# Altium PCB 整板_大板_one_EDA.PcbDoc (part 2 of 4)
Units mil, origin at the board's own origin, x right, y up, seen from the top; angles counter-clockwise.
Board outline 19488.19 x 7322.83 mil, 2 copper layers (Top Layer, Bottom Layer); 297 components, 275 nets, 1813 pads, 741 vias.
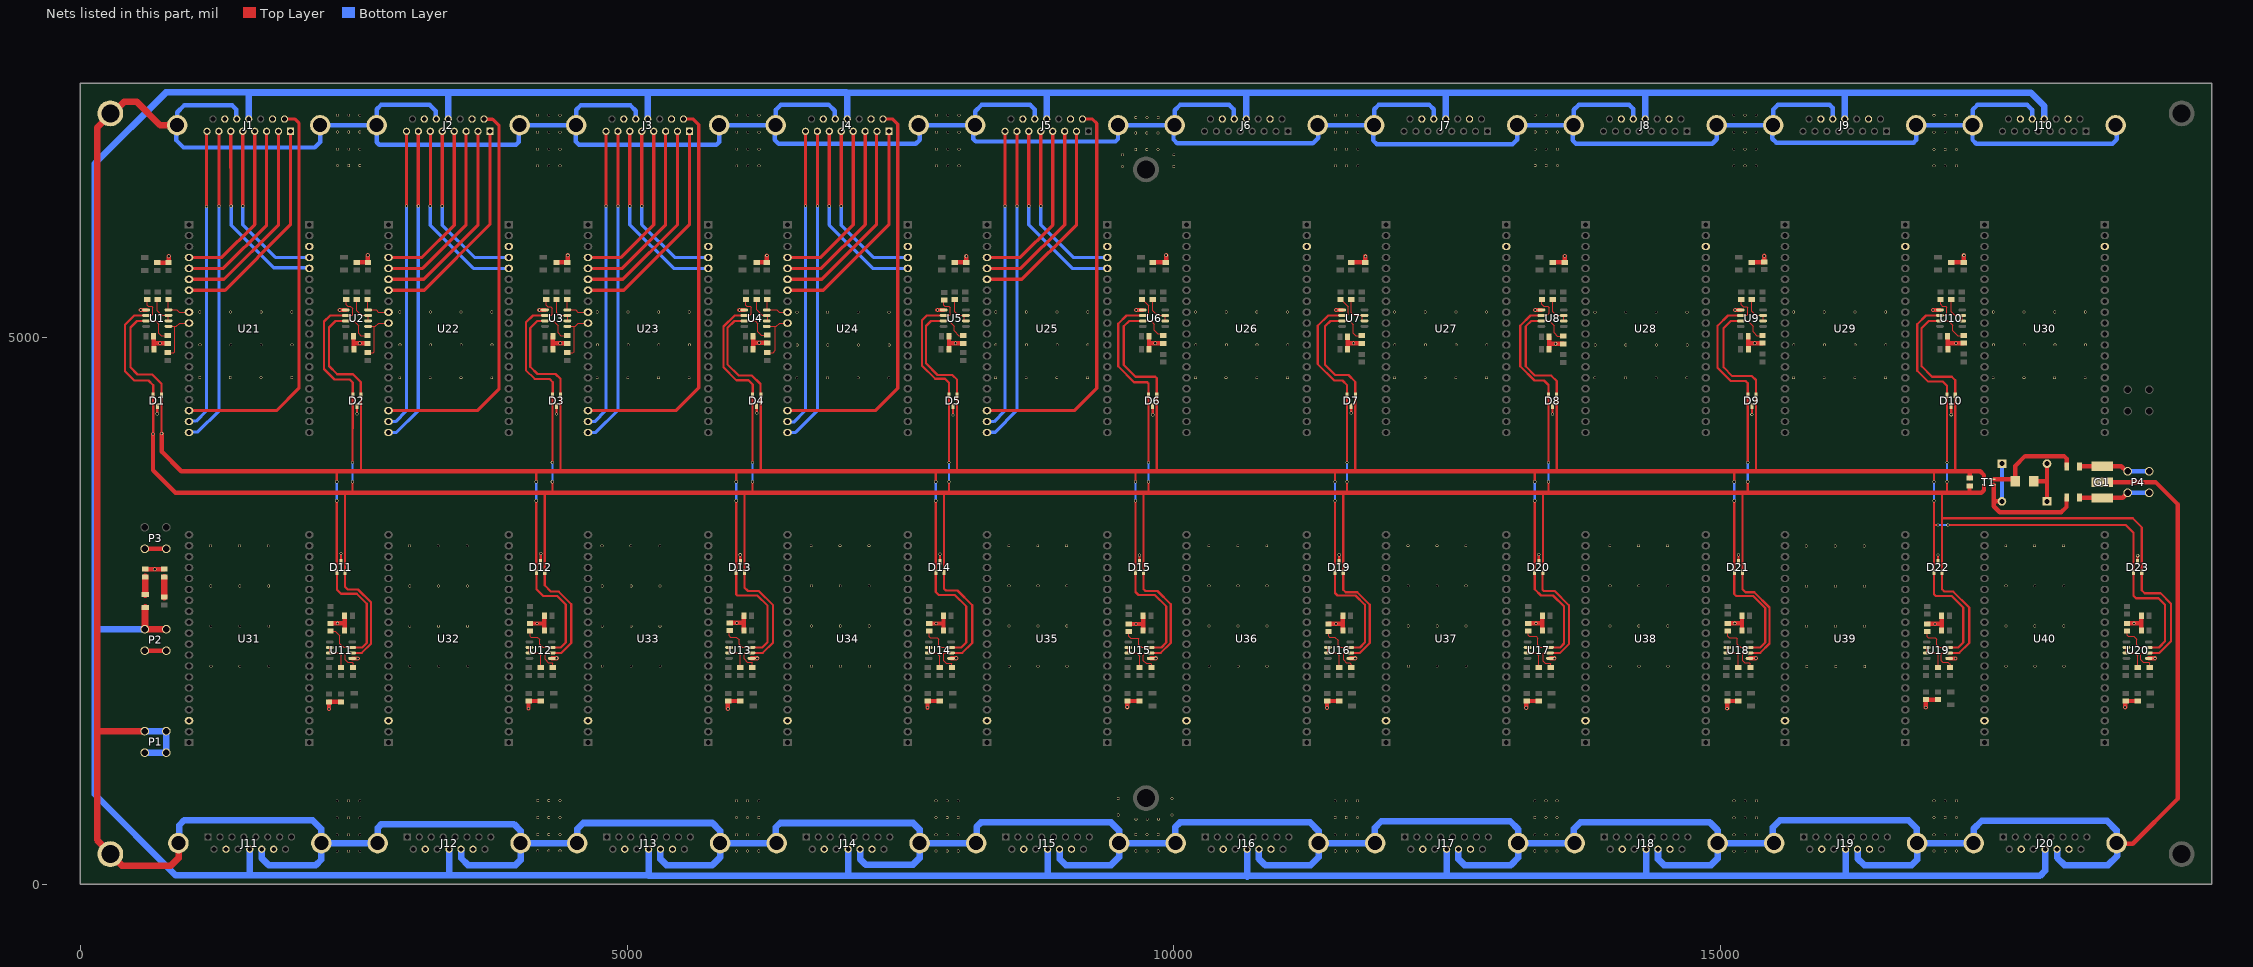
[diagram p2: the nets of this part, all layers, seen from the top]

## Via types
v1: diameter 25, hole 20, Top Layer to Bottom Layer, 458 vias
v2: diameter 30, hole 20, Top Layer to Bottom Layer, 281 vias
v3: diameter 40, hole 25, Top Layer to Bottom Layer, 1 vias
v4: diameter 25, hole 15, Top Layer to Bottom Layer, 1 vias

## Nets (pads, with @x,y where several pads share a name; then routed paths per layer and width w, separated by ;. In a path a pad name is that pad's centre, name@x,y a point inside that pad or via, vN(x,y) a via of type N, cw(c..) or ccw(c..) an arc to the next point about the centre after c; other vN are vias at no path point) (continued)
GND: 1.K 2.K C1.2 C2.2 C3.2 C4.2 C5.2 C6.2 C7.2 C8.2 C9.2 C10.2 C11.2 C12.2 C13.2 C14.2 C15.2 C16.2 C17.2 C18.2 C19.2 C20.2 C21.2 C22.2 C23.2 C24.2 C25.2 C26.2 C27.2 C28.2 C29.2 C30.2 C31.2 C32.2 C33.2 C34.2 C35.2 C36.2 C37.2 C38.2 C39.2 C40.2 C41.2 C42.2 C43.2 C44.2 C45.2 C46.2 C47.2 C48.2 C49.2 C50.2 C51.2 C52.2 C53.2 C54.2 C55.2 C56.2 C57.2 C58.2 C59.2 C60.2 C61.2 C62.2 C63.2 C64.2 C65.2 C66.2 C67.2 C68.2 C69.2 C70.2 C71.2 C72.2 C73.2 C74.2 C75.2 C76.2 C77.2 C78.2 C79.2 C80.2 D1.3 D2.3 D3.3 D4.3 D5.3 D6.3 D7.3 D8.3 D9.3 D10.3 D11.3 D12.3 D13.3 D14.3 D15.3 D19.3 D20.3 D21.3 D22.3 D23.3 J1.10 J1.14 J2.10 J2.14 J3.10 J3.14 J4.10 J4.14 J5.10 J5.14 J6.10 J6.14 J7.10 J7.14 J8.10 J8.14 J9.10 J9.14 J10.10 J10.14 J11.10 J11.14 J12.10 J12.14 J13.10 J13.14 J14.10 J14.14 J15.10 J15.14 J16.10 J16.14 J17.10 J17.14 J18.10 J18.14 J19.10 J19.14 J20.10 J20.14 P2.1 P3.1 R17.2 R19.2 R21.2 R23.2 R25.2 R42.2 R44.2 R46.2 R48.2 R50.2 R67.2 R69.2 R71.2 R73.2 R75.2 R94.2 R96.2 R98.2 R100.2 R102.2 U1.5 U2.5 U3.5 U4.5 U5.5 U6.5 U7.5 U8.5 U9.5 U10.5 U11.5 U12.5 U13.5 U14.5 U15.5 U16.5 U17.5 U18.5 U19.5 U20.5 U21.38 U22.38 U23.38 U24.38 U25.38 U26.38 U27.38 U28.38 U29.38 U30.38 U31.38 U32.38 U33.38 U34.38 U35.38 U36.38 U37.38 U38.38 U39.38 U40.38 | length 11608.2
  Top Layer w20: v2(705,4302) D1.3@705,4370.79 ; D11.3@2385,2949.21 v2(2385,3024) ; v2(2530,4301) D2.3@2530,4370.79 ; v2@2536.45,2063.55 v2(2537,2063) ; D12.3@4210,2949.21 v2(4210,3023) ; v2(4355,4298) D3.3@4355,4370.79 ; D13.3@6035,2949.21 v2(6035,3011) ; v2(6185,4308) D4.3@6185,4370.79 ; D14.3@7860,2949.21 v2(7860,3016) ; v2(7980,4289) D5.3@7980,4370.79 ; D15.3@9685,2949.21 v2(9685,3008) ; v2(9805,4292) D6.3@9805,4370.79 ; D19.3@11510,2949.21 v2(11510,3013) ; v2(11620,4308) D7.3@11620,4370.79 ; D20.3@13335,2949.21 v2(13335,3015) ; v2(13461.25,4296.25) D8.3@13461.25,4370.79 ; D21.3@15160,2949.21 v2(15160,3013) ; v2(15283.12,4295.12) D9.3@15283.12,4370.79 ; D22.3@16985,2949.21 v2(16985,3009) ; U19.5@17087.36,2065 U19.5@17088.36,2064 ; v2(17105,4293) D10.3@17105,4370.79 ; D23.3@18810,2949.21 v2(18810,3004)
  Top Layer w40: v2(554,5250) U1.5@602.64,5250 ; P2.1@590.55,2134.78 P2.1@787.4,2134.78 ; P3.1@590.55,3066.46 P3.1@787.4,3066.46 ; 2.K@595,2880.04 1.K@770,2880 ; C1.2@671.87,5008.98 673.45,5007.39 673.45,4949.49 ; C2.2@675.04,4890 673.45,4891.59 673.45,4949.49 ; C41.2@705,5682.01 C42.2@807.11,5682.01 807.17,5682.01 810,5684.84 v2(810,5741) ; R17.2@802.11,4945 677.94,4945 673.45,4949.49 ; v2(2275,1602) C61.2@2275,1667.99 C62.2@2385,1667.99 ; R67.2@2287.89,2385.04 2415.67,2385.04 2418.13,2387.5 ; v2(2374,5250) U2.5@2427.64,5250 ; C22.2@2418.13,2320 2418.13,2387.5 ; C21.2@2418.13,2455 2418.13,2387.5 ; U11.5@2488.81,2063.55 v2@2536.45,2063.55 ; C3.2@2496.87,5008.98 2499.37,5006.48 2499.37,4949.49 ; C4.2@2501.87,4890 2499.37,4892.5 2499.37,4949.49 ; C43.2@2530,5685 C44.2@2630.76,5685 2630,5685.76 v2(2630,5750) ; R19.2@2627.11,4945 2503.85,4945 2499.37,4949.49 ; v2(4099,1607) 4099,1674 C64.2@4100,1675 C63.2@4210,1675 ; R69.2@4112.89,2383.98 4239.61,2383.98 4243.13,2387.5 ; v2(4198,5250) U3.5@4249.51,5250 ; C24.2@4243.13,2320 4243.13,2387.5 ; C23.2@4243.13,2455 4243.13,2387.5 ; U12.5@4313.36,2066 v2(4356,2066) ; C6.2@4321.87,4890 4321.87,4949.49 ; C5.2@4321.87,5008.98 4321.87,4949.49 ; C45.2@4355,5685 C46.2@4454.42,5685 4455.17,5685 4458,5687.83 v2(4458,5749) ; R21.2@4452.11,4945 v2(4389.23,4945) 4326.35,4945 4321.87,4949.49 ; v2(5922,1604) 5922,1672.17 5924.83,1675 C66.2@5925,1675 C65.2@6035,1675 ; R71.2@5937.89,2388.98 6066.66,2388.98 6068.13,2387.5 ; v2(6027,5250) U4.5@6071.39,5250 ; C25.2@6068.13,2320 6068.13,2387.5 ; C26.2@6068.13,2455 6068.13,2387.5 ; U13.5@6137.36,2065 v2(6190,2065) ; C8.2@6151.87,4890 6151.87,4949.49 ; C7.2@6151.87,5008.98 6151.87,4949.49 ; C48.2@6185,5685 C47.2@6278.07,5685 6278,5685.07 v2(6278,5747) ; R23.2@6282.11,4950 v2(6209,4950) 6152.38,4950 6151.87,4949.49 ; v2(7747,1615) 7747,1672.17 7749.83,1675 C68.2@7750,1675 C67.2@7860,1675 ; R73.2@7762.89,2383.98 7889.61,2383.98 7893.13,2387.5 ; v2(7837,5250) U5.5@7893.26,5250 ; C28.2@7893.13,2320 7893.13,2387.5 ; C27.2@7893.13,2455 7893.13,2387.5 ; C9.2@7941.87,4890 7942.87,4891 7942.87,4949.49 ; C10.2@7943.87,5008.98 7942.87,5007.98 7942.87,4949.49 ; U14.5@7963.36,2066 v2(8010,2066) ; C49.2@7995.63,5685 C50.2@8101.73,5685 8102,5685.27 v2(8102,5741) ; R25.2@8074.11,4945 7947.35,4945 7942.87,4949.49 ; v2(9573,1619) 9573,1673 C70.2@9575,1675 C69.2@9685,1675 ; R75.2@9587.89,2378.98 9718.11,2378.98 ; v2(9655,5250) U6.5@9715.14,5250 ; C29.2@9718.13,2320 9718.13,2379 C30.2@9718.13,2455 ; C11.2@9771.87,4890 9771.87,4949.49 ; C12.2@9771.87,5008.98 9771.87,4949.49 ; U15.5@9787.36,2065 v2(9834,2065) ; C51.2@9805,5685 C52.2@9925.38,5685 9928,5687.62 v2(9928,5750) ; R42.2@9902.11,4945 v2(9829,4945) 9776.35,4945 9771.87,4949.49 ; v2(11399,1614) 11399,1674 C72.2@11400,1675 C71.2@11510,1675 ; R94.2@11412.89,2380.04 11535.67,2380.04 11543.13,2387.5 ; v2(11481,5250) U7.5@11537.01,5250 ; C31.2@11543.13,2320 11543.13,2387.5 ; C32.2@11543.13,2455 11543.13,2387.5 ; C13.2@11586.87,4890 11586.87,4947.5 ; C14.2@11586.87,5005 11586.87,4947.5 ; U16.5@11612.36,2065 v2(11657,2065) ; C53.2@11620,5685 C54.2@11749.04,5685 11750,5685.96 v2(11750,5740) ; R44.2@11717.11,4945 11589.37,4945 11586.87,4947.5 ; v2(13220,1614) 13220,1672.17 13222.83,1675 C74.2@13225,1675 C73.2@13335,1675 ; R96.2@13237.89,2385.04 13365.67,2385.04 13368.13,2387.5 ; v2(13303,5250) U8.5@13358.89,5250 ; C34.2@13368.13,2320 13368.13,2387.5 ; C33.2@13368.13,2455 13368.13,2387.5 ; C16.2@13428.12,5005 13429.06,5004.06 13429.06,4947.5 ; C15.2@13430,4890 13429.06,4890.94 13429.06,4947.5 ; U17.5@13438.58,2063.78 13439.79,2065 v2(13479,2065) ; C56.2@13461.25,5685 C55.2@13572.69,5685 13573,5685.31 v2(13573,5743) ; R46.2@13558.36,4941.02 13435.53,4941.02 13429.06,4947.5 ; v2(15057,1606) 15057,1672.17 15059.83,1675 C76.2@15060,1675 C75.2@15160,1675 ; R98.2@15062.89,2385.04 v2(15126.78,2385.04) 15190.67,2385.04 15193.13,2387.5 ; v2(15130,5250) U9.5@15180.76,5250 ; C35.2@15193.13,2320 15193.13,2387.5 ; C36.2@15193.13,2455 15193.13,2387.5 ; C18.2@15249.99,5010 C18.2@15249.99,5010 15250.04,4950 ; C17.2@15250.08,4890 15250.04,4890.04 15250.04,4950 ; U18.5@15262.36,2065 15263.36,2066 v2(15320,2066) ; C58.2@15283.13,5685 15285.63,5687.5 15393.85,5687.5 C57.2@15396.35,5690 15397,5690.65 v2(15397,5744) ; R48.2@15380.24,4946.02 15254.01,4946.02 15250.04,4950 ; v2(16873,1616) 16873,1685.99 C77.2@16875,1687.99 C78.2@16985,1687.99 ; R100.2@16887.89,2380.04 17010.67,2380.04 17018.13,2387.5 ; v2(16939,5250) U10.5@17002.64,5250 ; C38.2@17018.13,2320 17018.13,2387.5 ; C37.2@17018.13,2455 17018.13,2387.5 ; C20.2@17071.87,5010 17073.43,5008.43 17073.43,4950 ; C19.2@17075,4890 17073.43,4891.57 17073.43,4950 ; U19.5@17088.36,2064 v2(17145,2064) ; C59.2@17105,5685 C60.2@17220,5685 17221,5686 v2(17221,5749) ; R50.2@17220,4946.02 v2(17148.7,4946.02) 17077.41,4946.02 17073.43,4950 ; v2(18695,1618) 18695,1672.17 18697.83,1675 C79.2@18700,1675 C80.2@18810,1675 ; R102.2@18712.89,2385.04 v2(18777.24,2385.04) 18841.59,2385.04 18844.05,2387.5 ; C39.2@18843.13,2320 18844.05,2320.91 18844.05,2387.5 ; C40.2@18844.96,2455 18844.05,2454.09 18844.05,2387.5 ; U20.5@18912.36,2065 v2(18969,2065)
  other v1: 2350.5,302 2453,302 2555.5,302 15120.5,302 15223,302 15325.5,302 5999.5,303 6102,303 6204.5,303 7823.5,303 7926,303 8028.5,303 11473.5,303 11576,303 11678.5,303 13297.5,303 13400,303 13502.5,303 16948.5,303 17051,303 17153.5,303 9650.5,304 9753,304 9855.5,304 4182.5,305 4285,305 4387.5,305 2350.5,452 2453,452 2555.5,452 15120.5,452 15223,452 15325.5,452 5999.5,453 6102,453 6204.5,453 7823.5,453 7926,453 8028.5,453 11473.5,453 11576,453 11678.5,453 13297.5,453 13400,453 13502.5,453 16948.5,453 17051,453 17153.5,453 9650.5,454 9753,454 9855.5,454 4182.5,455 4285,455 4387.5,455 9652.5,595 9755,595 9857.5,595 2350.5,608 2453,608 2555.5,608 15120.5,608 15223,608 15325.5,608 5999.5,609 6102,609 6204.5,609 7823.5,609 7926,609 8028.5,609 11473.5,609 11576,609 11678.5,609 13297.5,609 13400,609 13502.5,609 16948.5,609 17051,609 17153.5,609 4182.5,611 4285,611 4387.5,611 9490,633 9982,633 2350.5,763 2453,763 2555.5,763 15120.5,763 15223,763 15325.5,763 5999.5,764 6102,764 6204.5,764 7823.5,764 7926,764 8028.5,764 11473.5,764 11576,764 11678.5,764 13297.5,764 13400,764 13502.5,764 16948.5,764 17051,764 17153.5,764 4182.5,766 4285,766 4387.5,766 9490,783 9982,783 15785,1990.33 16049.5,1990.33 16314,1990.33 1195.5,1992 1460,1992 1724.5,1992 3014,1992.33 3278.5,1992.33 3543,1992.33 4774,1992.33 5038.5,1992.33 5303,1992.33 6687,1993.33 6951.5,1993.33 7216,1993.33 8493,1993.33 8757.5,1993.33 9022,1993.33 10322,1993.33 10586.5,1993.33 10851,1993.33 12143,1993.33 12407.5,1993.33 12672,1993.33 13987,1993.33 14251.5,1993.33 14516,1993.33 17607,1993.33 17871.5,1993.33 18136,1993.33 15783.5,2357.67 16048,2357.67 16312.5,2357.67 1194,2359.33 1458.5,2359.33 1723,2359.33 3012.5,2359.67 3277,2359.67 3541.5,2359.67 4772.5,2359.67 5037,2359.67 5301.5,2359.67 6685.5,2360.67 6950,2360.67 7214.5,2360.67 8491.5,2360.67 8756,2360.67 9020.5,2360.67 10320.5,2360.67 10585,2360.67 10849.5,2360.67 12141.5,2360.67 12406,2360.67 12670.5,2360.67 13985.5,2360.67 14250,2360.67 14514.5,2360.67 17605.5,2360.67 17870,2360.67 18134.5,2360.67 15783.5,2725 16048,2725 16312.5,2725 1194,2726.67 1458.5,2726.67 1723,2726.67 3012.5,2727 3277,2727 3541.5,2727 4772.5,2727 5037,2727 5301.5,2727 6685.5,2728 6950,2728 7214.5,2728 8491.5,2728 8756,2728 9020.5,2728 10320.5,2728 10585,2728 10849.5,2728 12141.5,2728 12406,2728 12670.5,2728 13985.5,2728 14250,2728 14514.5,2728 17605.5,2728 17870,2728 18134.5,2728 15781,3092.33 16045.5,3092.33 16310,3092.33 1191.5,3094 1456,3094 1720.5,3094 3010,3094.33 3274.5,3094.33 3539,3094.33 4770,3094.33 5034.5,3094.33 5299,3094.33 6683,3095.33 6947.5,3095.33 7212,3095.33 8489,3095.33 8753.5,3095.33 9018,3095.33 10318,3095.33 10582.5,3095.33 10847,3095.33 12139,3095.33 12403.5,3095.33 12668,3095.33 13983,3095.33 14247.5,3095.33 14512,3095.33 17603,3095.33 17867.5,3095.33 18132,3095.33 2920.67,4631.5 3201,4631.5 3481.33,4631.5 3761.67,4631.5 4726.67,4631.5 5007,4631.5 5287.33,4631.5 5567.67,4631.5 6551.67,4630.5 6832,4630.5 7112.33,4630.5 7392.67,4630.5 8368.67,4631.5 8649,4631.5 8929.33,4631.5 9209.67,4631.5 10195.67,4631.5 10476,4631.5 10756.33,4631.5 11036.67,4631.5 12015.67,4631.5 12296,4631.5 12576.33,4631.5 12856.67,4631.5 13847.67,4630.5 14128,4630.5 14408.33,4630.5 14688.67,4630.5 15663.67,4631.5 15944,4631.5 16224.33,4631.5 16504.67,4631.5 17489.67,4631.5 17770,4631.5 18050.33,4631.5 18330.67,4631.5 1092.67,4632 1373,4632 1653.33,4632 1933.67,4632 6554.67,4930 6835,4930 7115.33,4930 7395.67,4930 13850.67,4930 14131,4930 14411.33,4930 14691.67,4930 1095.67,4931.5 1376,4931.5 1656.33,4931.5 1936.67,4931.5 2923.67,4931 3204,4931 3484.33,4931 3764.67,4931 4729.67,4931 5010,4931 5290.33,4931 5570.67,4931 8371.67,4931 8652,4931 8932.33,4931 9212.67,4931 10198.67,4931 10479,4931 10759.33,4931 11039.67,4931 12018.67,4931 12299,4931 12579.33,4931 12859.67,4931 15666.67,4931 15947,4931 16227.33,4931 16507.67,4931 17492.67,4931 17773,4931 18053.33,4931 18333.67,4931 6553,5229.5 6833.33,5229.5 7113.67,5229.5 7394,5229.5 13849,5229.5 14129.33,5229.5 14409.67,5229.5 14690,5229.5 1094,5231 1374.33,5231 1654.67,5231 1935,5231 2922,5230.5 3202.33,5230.5 3482.67,5230.5 3763,5230.5 4728,5230.5 5008.33,5230.5 5288.67,5230.5 5569,5230.5 8370,5230.5 8650.33,5230.5 8930.67,5230.5 9211,5230.5 10197,5230.5 10477.33,5230.5 10757.67,5230.5 11038,5230.5 12017,5230.5 12297.33,5230.5 12577.67,5230.5 12858,5230.5 15665,5230.5 15945.33,5230.5 16225.67,5230.5 16506,5230.5 17491,5230.5 17771.33,5230.5 18051.67,5230.5 18332,5230.5 9530,6561 9998,6562 16948.5,6568 17051,6568 17153.5,6568 4181.5,6569 4284,6569 4386.5,6569 6001.5,6569 6104,6569 6206.5,6569 7829.5,6569 7932,6569 8034.5,6569 11475.5,6569 11578,6569 11680.5,6569 15117.5,6569 15220,6569 15322.5,6569 2352,6570 2454.5,6570 2557,6570 13301.5,6570 13404,6570 13506.5,6570 9529,6669 9997,6670 9649.5,6718 9752,6718 9854.5,6718 16948.5,6718 17051,6718 17153.5,6718 4181.5,6719 4284,6719 4386.5,6719 6001.5,6719 6104,6719 6206.5,6719 7829.5,6719 7932,6719 8034.5,6719 11475.5,6719 11578,6719 11680.5,6719 15117.5,6719 15220,6719 15322.5,6719 2352,6720 2454.5,6720 2557,6720 13301.5,6720 13404,6720 13506.5,6720 9649.5,6868 9752,6868 9854.5,6868 16948.5,6874 17051,6874 17153.5,6874 4181.5,6875 4284,6875 4386.5,6875 6001.5,6875 6104,6875 6206.5,6875 7829.5,6875 7932,6875 8034.5,6875 11475.5,6875 11578,6875 11680.5,6875 15117.5,6875 15220,6875 15322.5,6875 2352,6876 2454.5,6876 2557,6876 13301.5,6876 13404,6876 13506.5,6876 9651.5,7009 9754,7009 9856.5,7009 16948.5,7029 17051,7029 17153.5,7029 4181.5,7030 4284,7030 4386.5,7030 6001.5,7030 6104,7030 6206.5,7030 7829.5,7030 7932,7030 8034.5,7030 11475.5,7030 11578,7030 11680.5,7030 15117.5,7030 15220,7030 15322.5,7030 2352,7031 2454.5,7031 2557,7031 13301.5,7031 13404,7031 13506.5,7031
  other v2: 9653,2378.98 16958,2380 11482,2382 4176.25,2383.98 7826.25,2383.98 2351.78,2385.04 13310,2385 6002.27,2388.98 682.5,2880.02 13489,4941 730,4946 2556,4946 8003,4946 11642,4946 15309,4946
IN+: J1.12 J2.12 J3.12 J4.12 J5.12 J6.12 J7.12 J8.12 J9.12 J10.12 J11.12 J12.12 J13.12 J14.12 J15.12 J16.12 J17.12 J18.12 J19.12 J20.12 P2.2 RD2.2 | length 47564.4
  Top Layer w60: RD2.2@595,2530 592.78,2527.78 592.78,2333.86 P2.2@590.55,2331.63 P2.2@787.4,2331.63
  Bottom Layer w60: P2.2@590.55,2331.63 135.37,2331.63 133,2334 ; J1.12@1540.89,6995 1540.89,7238 3364.78,7238 ; 1540.89,7239 784,7239 133,6588 133,2725.81 133,2334 ; J11.12@1550.95,320 1550.95,81 ; J2.12@3364.78,6995 3364.78,7238 ; J12.12@3373,320 3373,81 ; J3.12@5188.67,6995 5188.67,7238 ; 5196.89,78 7020.78,78 ; J13.12@5196.89,320 5196.89,81 3373,81 ; 7003.11,7238 5188.67,7238 ; J4.12@7012.56,6995 7012.56,7237 8836.44,7237 ; J14.12@7020.78,320 7020.78,78 ; J5.12@8836.44,6995 8836.44,7237 ; J15.12@8844.67,320 8844.67,78 7020.78,78 ; 8845,76 10646.11,76 ; J6.12@10660.33,6995 10660.33,7237 ; 10668.55,70 J16.12@10668.55,320 ; 10674.55,76 12492.44,76 ; J7.12@12484.22,6995 12484.22,7237 ; J17.12@12492.44,320 12492.44,76 ; J8.12@14308.11,6995 14308.11,7237 ; J18.12@14316.33,320 14316.33,76 ; J9.12@16132,6995 16132,7237 ; J19.12@16140.22,320 16140.22,76 ; J10.12@17955.89,6995 17957.14,6996.25 17957.14,7112.14 17832.28,7237 16132,7237 ; J20.12@17964.11,320 17964.11,124.11 17916,76 16140.22,76 ; 133,2334 133,822 874,81 1550.95,81 ; 1550.95,81 3373,81 ; 3364.78,7238 5188.67,7238 ; 8836.44,7237 10660.33,7237 ; 10660.33,7237 12484.22,7237 ; 12484.22,7237 14308.11,7237 ; 12492.44,76 14316.33,76 ; 14308.11,7237 16132,7237 ; 14316.33,76 16140.22,76
Net1_A: 1.A RD1.1 | length 181.3
  Top Layer w60: RD1.1@770,2623.7 1.A@770,2804.96
Net2_A: 2.A RD2.1 | length 162.6
  Top Layer w60: RD2.1@595,2647.32 2.A@595,2809.96
NetD16_1: D16.1 D17.1 D18.2 | length 466.3
  Top Layer w40: D16.1@17859.92,3685 17981.18,3685 ; D18.2@17981.18,3500 17981.18,3685 ; D17.1@17981.18,3845 17981.18,3685
NetD16_2: D16.2 R76.1 T1.4 | length 931.4
  Top Layer w40: T1.4@17495.28,3702.17 17673.46,3702.17 D16.2@17690.63,3685 17690.63,3824.09 17780.91,3914.37 18136.84,3914.37 18160.28,3890.94 18160.28,3819.71 R76.1@18161.61,3818.37
NetD17_2: D17.2 D18.1 R77.1 T1.3 | length 1408.9
  Top Layer w40: T1.3@17495.28,3650.98 17495.28,3500 ; D18.1@17569.37,3500 17495.28,3500 ; R77.1@18161.61,3534.78 18159.37,3532.54 18159.37,3449.09 18110.28,3400 17550.28,3400 17495.28,3455 17495.28,3500
  Bottom Layer w40: D18.1@17569.37,3500 D17.2@17569.37,3845
NetR2_1: R2.1 U1.2 U1.3 | length 271
  Top Layer w10: R2.1@705,5345 705,5245 750,5200 U1.3@807.36,5200 U1.2@807.36,5150
NetR5_1: R5.1 U2.2 U2.3 | length 271
  Top Layer w10: R5.1@2530,5345 2530,5245 2575,5200 U2.3@2632.36,5200 U2.2@2632.36,5150
NetR8_1: R8.1 U3.2 U3.3 | length 282.7
  Top Layer w10: R8.1@4355,5344.96 4355,5225 4380,5200 4457.36,5200 U3.2@4457.36,5150
NetR11_1: R11.1 U4.2 U4.3 | length 268.1
  Top Layer w10: R11.1@6185,5345 6185,5250 6235,5200 6287.36,5200 U4.2@6287.36,5150
NetR14_1: R14.1 U5.2 U5.3 | length 267.4
  Top Layer w10: R14.1@7979,5344.96 7995,5328.96 7995,5235 8030,5200 8081.36,5200 U5.2@8081.36,5150
NetR27_1: R27.1 U6.2 U6.3 | length 283.5
  Top Layer w10: R27.1@9805,5344.96 9805,5245 9850,5200 U6.3@9919.86,5200 U6.2@9919.86,5150
NetR30_1: R30.1 U7.2 U7.3 | length 282.7
  Top Layer w10: R30.1@11620,5344.96 11620,5225 11645,5200 U7.3@11722.36,5200 ; U7.2@11722.36,5145 11722.36,5150 U7.3@11722.36,5195
NetR33_1: R33.1 U8.2 U8.3 | length 277.6
  Top Layer w10: R33.1@13461.25,5344.96 13461.25,5233.75 13495,5200 U8.3@13563.61,5200 U8.2@13563.61,5150
NetR36_1: R36.1 U9.2 U9.3 | length 275.7
  Top Layer w10: R36.1@15283.12,5344.96 15283.12,5236.88 15320,5200 U9.3@15385.49,5200 U9.2@15385.49,5150
NetR39_1: R39.1 U10.2 U10.3 | length 276.8
  Top Layer w10: R39.1@17105,5344.96 17105,5235 17140,5200 U10.3@17207.36,5200 U10.2@17207.36,5150
NetR52_1: R52.1 U11.2 U11.3 | length 275.6
  Top Layer w10: U11.2@2282.64,2165 U11.3@2282.64,2115 2365,2115 2385,2095 R52.1@2385,1980.04
NetR55_1: R55.1 U12.2 U12.3 | length 275.6
  Top Layer w10: U12.2@4107.64,2165 U12.3@4107.64,2115 4190,2115 4210,2095 R55.1@4210,1980.04
NetR58_1: R58.1 U13.2 U13.3 | length 275.6
  Top Layer w10: U13.2@5932.64,2165 U13.3@5932.64,2115 6015,2115 6035,2095 R58.1@6035,1980.04
NetR61_1: R61.1 U14.2 U14.3 | length 269.7
  Top Layer w10: U14.2@7757.64,2165 U14.3@7757.64,2115 7830,2115 7860,2085 R61.1@7860,1980.04
NetR64_1: R64.1 U15.2 U15.3 | length 269.7
  Top Layer w10: U15.2@9582.64,2165 U15.3@9582.64,2115 9655,2115 9685,2085 R64.1@9685,1980.04
NetR79_1: R79.1 U16.2 U16.3 | length 272.7
  Top Layer w10: U16.2@11407.64,2165 U16.3@11407.64,2115 11485,2115 11510,2090 R79.1@11510,1980.04
NetR82_1: R82.1 U17.2 U17.3 | length 272.7
  Top Layer w10: U17.2@13232.64,2165 U17.3@13232.64,2115 13310,2115 13335,2090 R82.1@13335,1980.04
NetR85_1: R85.1 U18.2 U18.3 | length 278.5
  Top Layer w10: U18.2@15057.64,2165 U18.3@15057.64,2115 15145,2115 15160,2100 R85.1@15160,1980.04
NetR88_1: R88.1 U19.2 U19.3 | length 281.5
  Top Layer w10: U19.2@16882.64,2165 U19.3@16882.64,2115 16975,2115 16985,2105 R88.1@16985,1980.04
NetR91_1: R91.1 U20.2 U20.3 | length 272.7
  Top Layer w10: U20.2@18707.64,2165 U20.3@18707.64,2115 18785,2115 18810,2090 R91.1@18810,1980.04
PE: G1.2 J1.13 J1.16 J1.17 J2.13 J2.16 J2.17 J3.13 J3.16 J3.17 J4.13 J4.16 J4.17 J5.13 J5.16 J5.17 J6.13 J6.16 J6.17 J7.13 J7.16 J7.17 J8.13 J8.16 J8.17 J9.13 J9.16 J9.17 J10.13 J10.16 J10.17 J11.13 J11.16 J11.17 J12.13 J12.16 J12.17 J13.13 J13.16 J13.17 J14.13 J14.16 J14.17 J15.13 J15.16 J15.17 J16.13 J16.16 J16.17 J17.13 J17.16 J17.17 J18.13 J18.16 J18.17 J19.13 J19.16 J19.17 J20.13 J20.16 J20.17 P1.1 P1.2 pad.0@275.59,275.59 pad.0@275.59,7047.24 | length 71715.9
  Top Layer w40: pad.0@275.59,7035.59 pad.0@275.59,7047.24 pad.0@294.17,7065.83 ; G1.2@18485.28,3676.57 18973.43,3676.57 19175,3475 19175,780 18765,370 18623.75,370 J20.16@18617.85,375.91
  Top Layer w60: pad.0@275.59,7035.59 155,6915 155,1410 ; pad.0@294.17,7065.83 315.83,7065.83 405,7155 515,7155 730.91,6939.09 J1.16@887.15,6939.09 ; P1.2@590.55,1399.96 165.04,1399.96 155,1410 ; J11.17@897.71,375.91 900,373.62 900,240 830,170 381.18,170 pad.0@275.59,275.59 275.59,284.41 155,405 155,1410
  Bottom Layer w40: J1.13@1431.83,6995 1426.76,7000.08 1426.76,7083.24 1390,7120 950,7120 887.15,7057.15 J1.16@887.15,6939.09 880,6931.94 880,6800 945,6735 2143.73,6735 2194.12,6785.39 J1.17@2194.12,6939.09 J2.16@2711.04,6939.09 ; J2.13@3255.72,6995 3250.65,7000.08 3250.65,7069.35 3195,7125 2750,7125 2711.04,7086.04 J2.16@2711.04,6939.09 ; J3.13@5079.61,6995 5079.61,7071.57 5031.18,7120 4575,7120 4534.93,7079.93 J3.16@4534.93,6939.09 ; J4.13@6903.5,6995 6898.42,7000.08 6898.42,7071.57 6844.99,7125 6405,7125 6358.82,7078.82 J4.16@6358.82,6939.09 ; J5.13@8727.39,6995 8727.39,7082.61 8685,7125 8240,7125 8182.71,7067.71 J5.16@8182.71,6939.09 ; J6.13@10551.28,6995 10546.2,7000.08 10546.2,7083.8 10505,7125 10055,7125 10006.59,7076.59 J6.16@10006.59,6939.09 ; J7.13@12375.17,6995 12375,6995.17 12375,7085 12335,7125 11870,7125 11830.48,7085.48 J7.16@11830.48,6939.09 ; J8.13@14199.06,6995 14199.06,7088.27 14162.32,7125 13700,7125 13654.37,7079.37 J8.16@13654.37,6939.09 ; J9.13@16022.95,6995 16022.95,7097.05 15995,7125 15520,7125 15478.26,7083.26 J9.16@15478.26,6939.09 ; J10.13@17846.83,6995 17845,6996.83 17845,7080 17800,7125 17345,7125 17302.15,7082.15 J10.16@17302.15,6939.09 ; J10.17@18609.12,6939.09 18620,6928.22 18620,6810 18580,6770 17335,6770 17300,6805 17300,6936.94 J10.16@17302.15,6939.09 ; J2.16@2711.04,6939.09 2711.04,6783.96 2735,6760 3985,6760 4010.39,6785.39 4010.39,6931.48 J2.17@4018.01,6939.09 J3.16@4534.93,6939.09 ; J3.16@4534.93,6939.09 4530,6934.17 4530,6790 4560,6760 5816.51,6760 5841.9,6785.39 J3.17@5841.9,6939.09 J4.16@6358.82,6939.09 ; J4.16@6358.82,6939.09 6350,6930.28 6350,6805 6385,6770 7640,6770 7675,6805 7675,6929.88 J4.17@7665.79,6939.09 J5.16@8182.71,6939.09 ; J5.16@8182.71,6939.09 8165,6921.39 8165,6813.43 8188.43,6790 9465,6790 9488.43,6813.43 9488.43,6937.85 J5.17@9489.68,6939.09 J6.16@10006.59,6939.09 ; J6.16@10006.59,6939.09 9995,6927.5 9995,6808.43 10028.43,6775 11270,6775 11320,6825 11320,6932.66 J6.17@11313.57,6939.09 J7.16@11830.48,6939.09 ; J7.16@11830.48,6939.09 11820,6928.61 11820,6800 11855,6765 13095,6765 13137.46,6807.46 J7.17@13137.46,6939.09 J8.16@13654.37,6939.09 ; J8.16@13654.37,6939.09 13645,6929.72 13645,6800 13675,6770 14920,6770 14961.35,6811.35 J8.17@14961.35,6939.09 J9.16@15478.26,6939.09 ; J9.16@15478.26,6939.09 15470,6930.83 15470,6815 15505,6780 16761.8,6780 16785.23,6803.43 J9.17@16785.23,6939.09 J10.16@17302.15,6939.09